# KiCad board m-blanc.kicad_pcb (continued)
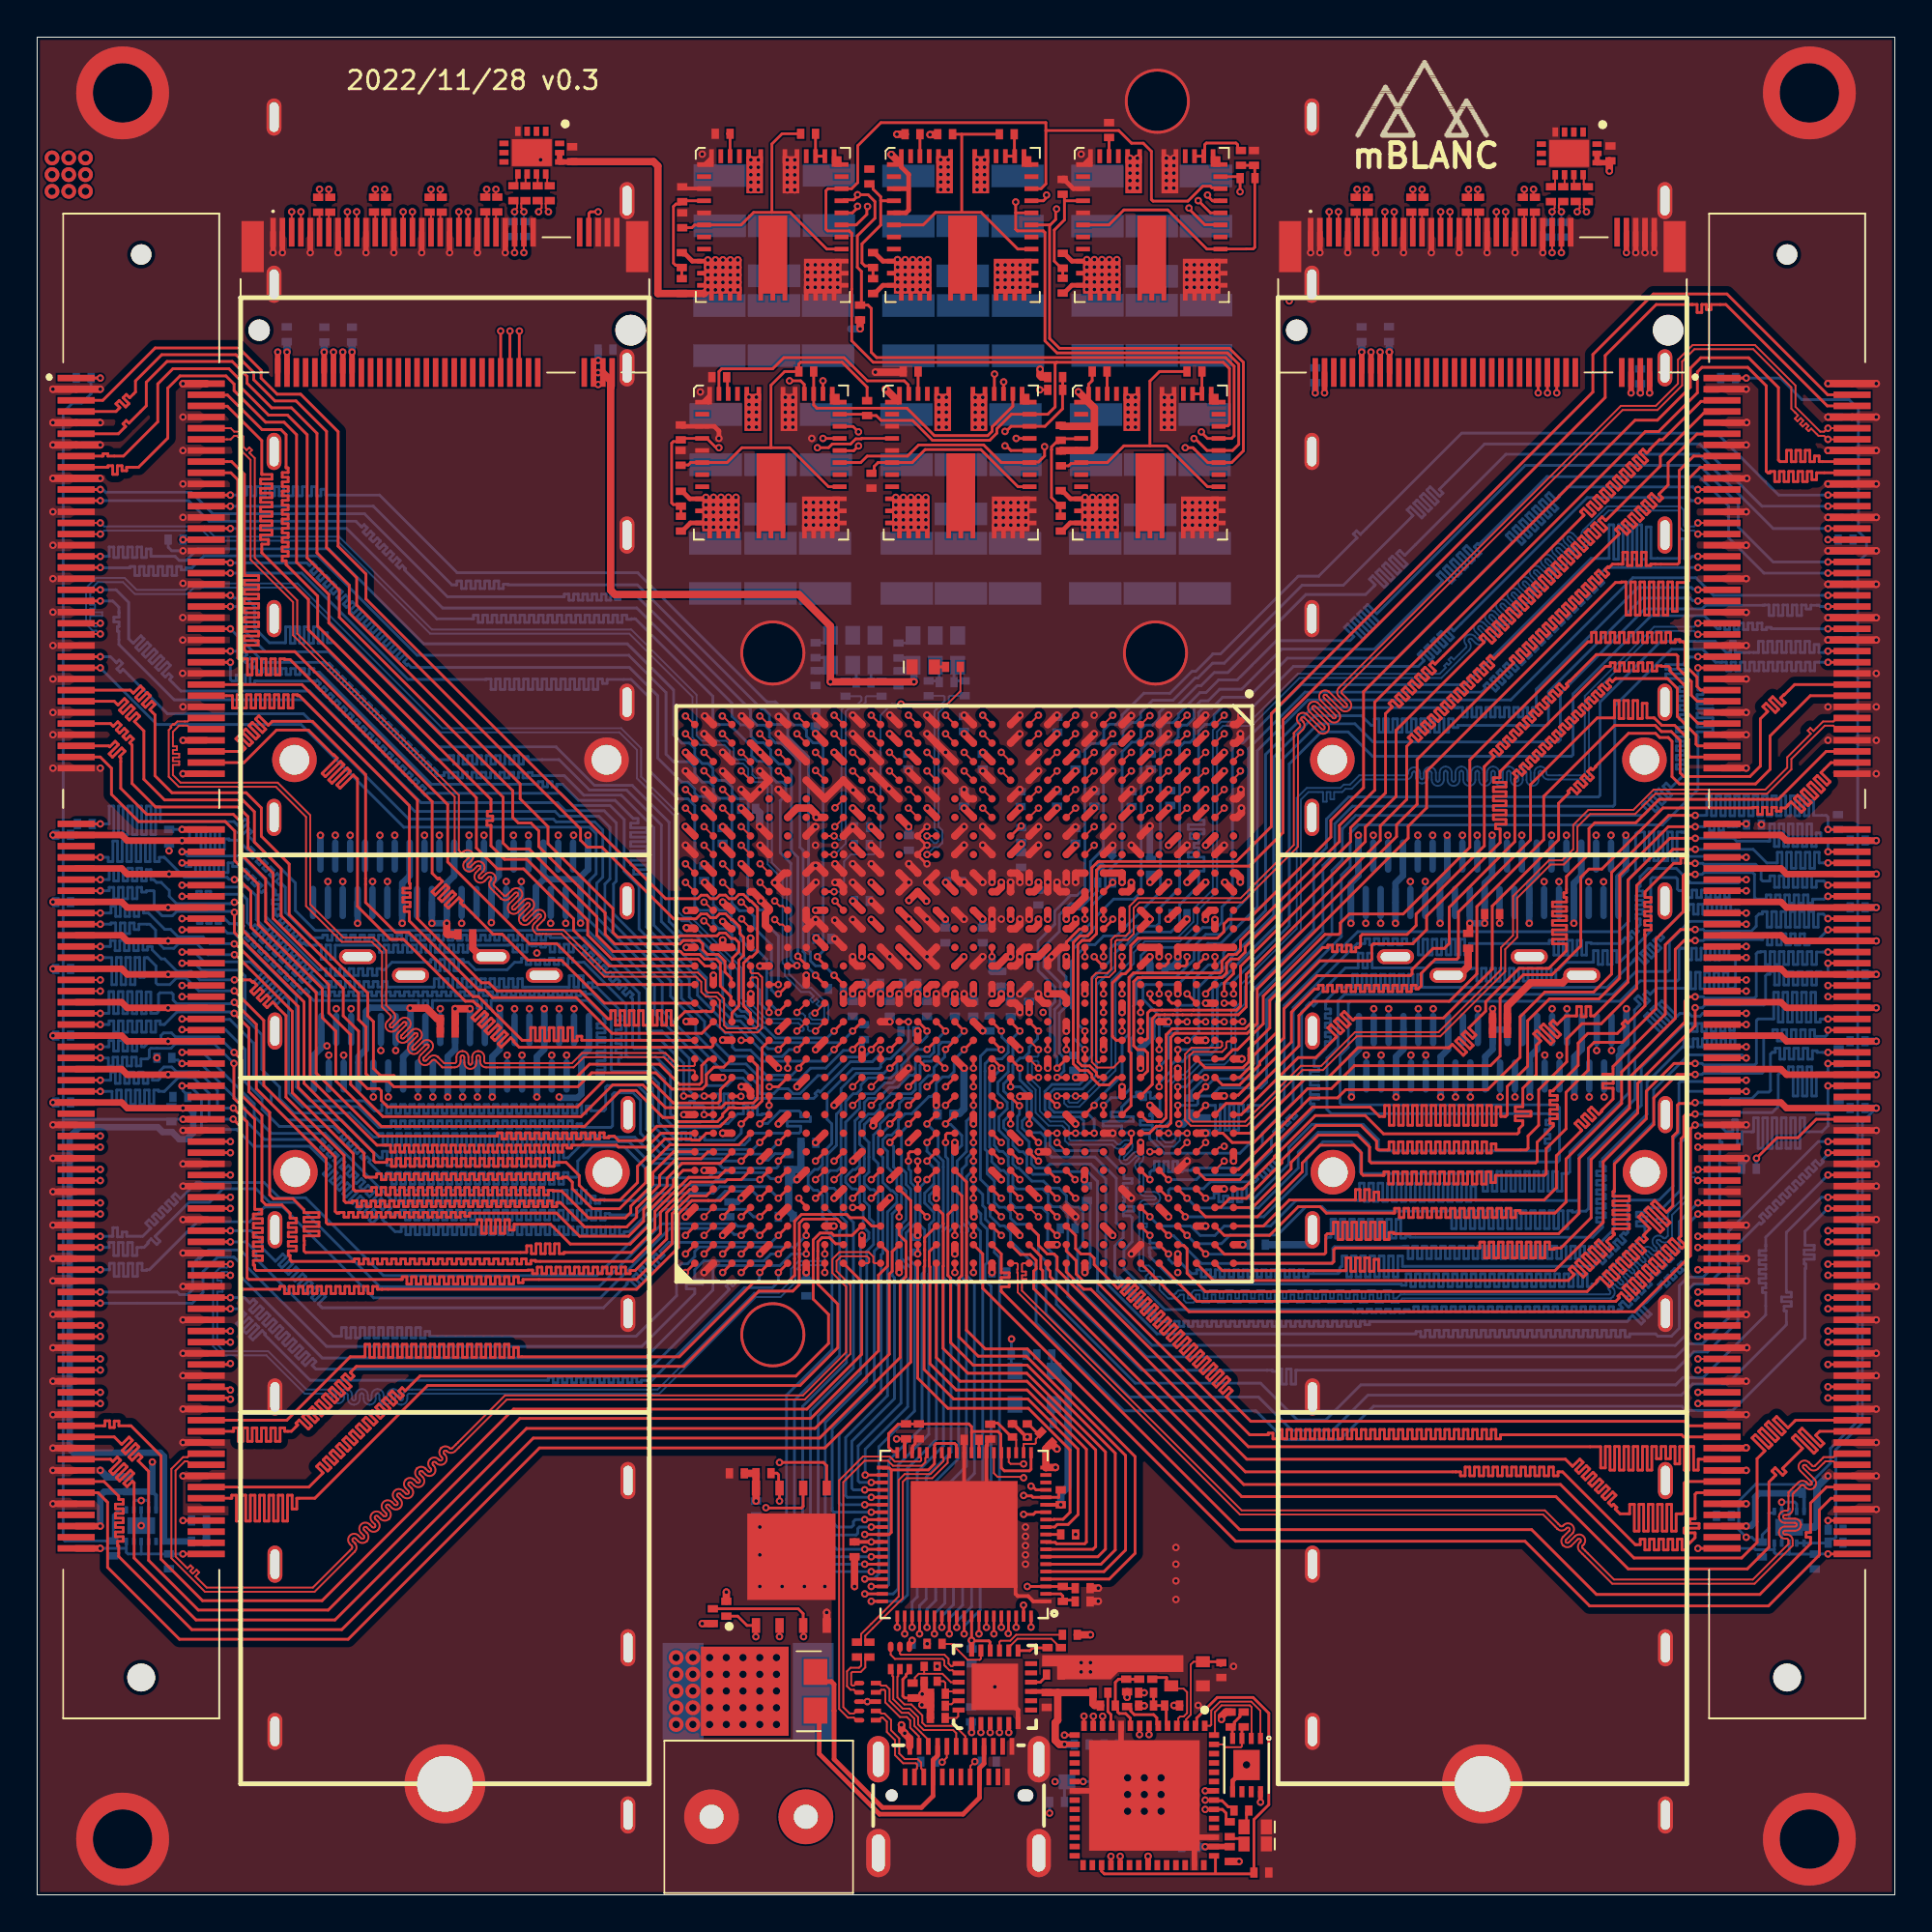
[diagram p0: board, top side]
## Routing (per net, layer and track width the routed paths; a pad name or vN(x,y) marks a point on that pad's centre or on a via; arc(x,y) is an arc through that point) (continued)
DRAM1_DQ34: length 45.3
  Top Layer w0.15: DIMM1.141 v1(3.4,37.25) ; v1(37.9,33.5) U1.AG30
  InLayer2 (Signal) w0.15: v1(3.4,37.25) 3.98,37.25 3.98,37.84 4.23,37.84 4.23,37.24 4.48,37.24 4.48,37.84 4.73,37.84 4.73,37.24 4.98,37.24 4.98,37.84 5.23,37.84 5.23,37.24 5.48,37.24 5.48,37.63 5.73,37.63 5.73,37.25 6.33,37.25 7.9,35.68 8.2,35.68 8.92,34.96 8.92,33.54 9.53,32.92 10.79,32.92 11.41,32.3 30.15,32.3 30.76,32.92 32.53,32.92 33.65,31.8 36.5,31.8 37.9,33.2 37.9,33.5 v1(37.9,33.5)
DRAM1_DQ35: length 48.2
  Top Layer w0.15: v1(37.9,34.5) U1.AG29 ; DIMM1.143 v1(3.4,36.65)
  InLayer2 (Signal) w0.15: v1(37.9,34.5) 38.41,33.99 38.41,33.15 36.66,31.39 33.51,31.39 32.35,32.55 31.09,32.55 30.36,31.83 11.37,31.83 10.59,32.6 9.11,32.6 8.49,33.22 8.49,34.74 7.98,35.24 7.69,35.24 6.29,36.65 5.76,36.65 5.76,36.31 5.51,36.31 5.51,36.66 5.26,36.66 5.26,35.9 5.01,35.9 5.01,36.66 4.76,36.66 4.76,35.9 4.51,35.9 4.51,36.66 4.26,36.66 4.26,35.9 4.01,35.9 4.01,36.65 v1(3.4,36.65)
DRAM1_DQ36: length 46.5
  Top Layer w0.15: DIMM1.130 v1(10.4,40.55) ; v1(37.9,36.5) U1.AG27
  InLayer2 (Signal) w0.15: v1(37.9,36.5) 37.17,37.23 25.74,37.23 25.74,37.64 25.49,37.64 25.49,37.2 25.24,37.2 25.24,37.74 24.99,37.74 24.99,37.2 24.74,37.2 24.74,37.74 24.49,37.74 24.49,37.2 24.24,37.2 24.24,37.74 23.99,37.74 23.99,37.2 23.74,37.2 23.74,37.74 23.49,37.74 23.49,37.2 23.24,37.2 23.24,37.74 22.99,37.74 22.99,37.2 22.74,37.2 22.74,37.74 22.49,37.74 22.49,37.2 22.24,37.2 22.24,37.74 21.99,37.74 21.99,37.2 21.74,37.2 21.74,37.74 21.49,37.74 21.49,37.2 21.24,37.2 21.24,37.74 20.99,37.74 20.99,37.2 20.74,37.2 20.74,37.74 20.49,37.74 20.49,37.2 20.24,37.2 20.24,37.74 19.99,37.74 19.99,37.2 19.74,37.2 19.74,37.74 19.49,37.74 19.49,37.2 19.24,37.2 19.24,37.74 18.99,37.74 18.99,37.23 18.62,37.23 14.85,41 12.2,41 11.75,40.55 v1(10.4,40.55)
DRAM1_DQ37: length 46.2
  Top Layer w0.15: DIMM1.132 v1(10.4,39.95) ; v1(35.9,34.5) U1.AJ29
  InLayer2 (Signal) w0.15: v1(10.4,39.95) 10.85,39.95 10.85,39.31 11.1,39.31 11.1,40.01 11.35,40.01 11.35,39.31 11.6,39.31 11.6,40.01 11.85,40.01 11.85,39.95 11.95,39.95 12.5,40.5 14.54,40.5 15.52,39.51 15.55,39.54 15.73,39.37 15.33,38.97 15.51,38.79 15.91,39.19 16.08,39.01 15.68,38.61 15.86,38.44 16.26,38.84 16.44,38.66 16.04,38.26 16.22,38.08 16.62,38.48 16.79,38.31 16.39,37.91 16.57,37.73 16.97,38.13 17.15,37.95 16.75,37.55 16.92,37.38 17.29,37.74 18.38,36.66 28.52,36.66 28.52,36.86 28.77,36.86 28.77,36.53 29.02,36.53 29.02,36.86 29.27,36.86 29.27,36.53 29.52,36.53 29.52,36.86 29.77,36.86 29.77,36.53 30.02,36.53 30.02,36.86 30.27,36.86 30.27,36.53 30.52,36.53 30.52,36.86 30.77,36.86 30.77,36.53 31.02,36.53 31.02,36.86 31.27,36.86 31.27,36.53 31.52,36.53 31.52,36.86 31.77,36.86 31.77,36.53 32.02,36.53 32.02,36.86 32.27,36.86 32.27,36.53 32.52,36.53 32.52,36.86 32.77,36.86 32.77,36.53 33.02,36.53 33.02,36.86 33.27,36.86 33.27,36.53 33.52,36.53 33.52,36.8 33.77,36.8 33.77,36.66 34.08,36.66 34.72,36.01 35.31,36.01 35.39,35.93 35.39,35 v1(35.9,34.5)
DRAM1_DQ38: length 45.9
  Top Layer w0.15: v1(34.9,34.5) U1.AK29 ; DIMM1.140 v1(10.4,37.55)
  InLayer2 (Signal) w0.15: v1(10.4,37.55) 11.55,37.55 11.99,37.11 13.2,37.11 13.74,36.57 13.78,36.61 13.96,36.43 13.56,36.04 13.74,35.86 14.13,36.25 14.31,36.08 13.92,35.68 14.09,35.51 14.49,35.9 14.66,35.72 14.63,35.69 14.75,35.57 23.35,35.57 23.35,35.79 23.6,35.79 23.6,35.4 23.85,35.4 23.85,35.79 24.1,35.79 24.1,35.4 24.35,35.4 24.35,35.79 24.6,35.79 24.6,35.4 24.85,35.4 24.85,35.79 25.1,35.79 25.1,35.4 25.35,35.4 25.35,35.79 25.6,35.79 25.6,35.4 25.85,35.4 25.85,35.79 26.1,35.79 26.1,35.4 26.35,35.4 26.35,35.79 26.6,35.79 26.6,35.4 26.85,35.4 26.85,35.79 27.1,35.79 27.1,35.4 27.35,35.4 27.35,35.79 27.6,35.79 27.6,35.4 27.85,35.4 27.85,35.79 28.1,35.79 28.1,35.4 28.35,35.4 28.35,35.79 28.6,35.79 28.6,35.4 28.85,35.4 28.85,35.79 29.1,35.79 29.1,35.4 29.35,35.4 29.35,35.79 29.6,35.79 29.6,35.4 29.85,35.4 29.85,35.79 30.1,35.79 30.1,35.4 30.35,35.4 30.35,35.79 30.6,35.79 30.6,35.4 30.85,35.4 30.85,35.79 31.1,35.79 31.1,35.4 31.35,35.4 31.35,35.79 31.6,35.79 31.6,35.4 31.85,35.4 31.85,35.79 32.1,35.79 32.1,35.4 32.35,35.4 32.35,35.79 32.6,35.79 32.6,35.4 32.85,35.4 32.85,35.79 33.1,35.79 33.1,35.4 33.35,35.4 33.35,35.76 33.6,35.76 33.6,35.57 33.83,35.57 33.88,35.52 v1(34.9,34.5)
DRAM1_DQ39: length 48.5
  Top Layer w0.15: v1(10.4,36.95) 10.22,36.95 DIMM1.142 ; v1(36.9,34.5) U1.AH29
  InLayer2 (Signal) w0.15: v1(10.4,36.95) 11.35,36.95 12.1,36.2 12.1,35 12.8,34.3 13.25,34.3 13.3,34.35 13.09,34.57 13.27,34.74 13.58,34.43 13.76,34.61 13.55,34.82 13.73,34.99 13.83,34.89 14,35.06 14.17,35.06 14.17,35.21 14.42,35.21 14.42,34.85 14.67,34.85 14.67,35.21 14.92,35.21 14.92,34.85 15.17,34.85 15.17,35.21 15.42,35.21 15.42,34.85 15.67,34.85 15.67,35.21 15.92,35.21 15.92,34.85 16.17,34.85 16.17,35.21 16.42,35.21 16.42,34.85 16.67,34.85 16.67,35.21 16.92,35.21 16.92,34.85 17.17,34.85 17.17,35.21 17.42,35.21 17.42,34.85 17.67,34.85 17.67,35.21 17.92,35.21 17.92,34.85 18.17,34.85 18.17,35.21 18.42,35.21 18.42,34.85 18.67,34.85 18.67,35.21 18.92,35.21 18.92,34.85 19.17,34.85 19.17,35.21 19.42,35.21 19.42,34.85 19.67,34.85 19.67,35.21 19.92,35.21 19.92,34.85 20.17,34.85 20.17,35.21 20.42,35.21 20.42,34.85 20.67,34.85 20.67,35.21 20.92,35.21 20.92,34.85 21.17,34.85 21.17,35.21 21.42,35.21 21.42,34.85 21.67,34.85 21.67,35.21 21.92,35.21 21.92,34.85 22.17,34.85 22.17,35.21 22.42,35.21 22.42,34.85 22.67,34.85 22.67,35.21 22.92,35.21 22.92,35.06 33.64,35.06 33.75,34.95 33.86,35.07 34.04,34.89 33.82,34.67 34,34.49 34.22,34.72 34.4,34.54 34.17,34.32 34.35,34.14 34.46,34.25 34.71,33.99 34.84,33.99 34.84,34.12 35.09,34.12 35.09,33.84 35.34,33.84 35.34,34.12 35.59,34.12 35.59,33.87 35.84,33.87 35.84,34.12 36.09,34.12 36.09,33.84 36.34,33.84 36.34,34.12 36.59,34.12 36.59,33.99 36.81,33.99 36.9,34.08 v1(36.9,34.5)
DRAM1_DQ40: length 47.9
  Top Layer w0.15: DIMM1.147 v1(3.4,35.45) ; v1(38.9,36.5) U1.AF27
  Bottom Layer w0.15: v1(3.4,35.45) 4.08,35.45 4.08,35.91 4.33,35.91 4.33,35.42 4.58,35.42 4.58,35.68 4.83,35.68 4.83,35.45 5.68,35.45 6.12,35.89 5.84,36.16 6.02,36.34 6.31,36.05 6.49,36.23 6.2,36.52 6.37,36.69 6.66,36.4 6.84,36.58 6.55,36.87 6.73,37.05 7.02,36.76 7.19,36.93 6.9,37.22 7.08,37.4 7.37,37.11 7.55,37.29 7.26,37.58 7.43,37.75 7.71,37.48 8.57,38.34 12.22,38.34 13.04,37.53 14.45,37.53 18.64,33.34 30.14,33.34 33.7,36.9 38.16,36.9 38.56,36.5 v1(38.9,36.5)
DRAM1_DQ41: length 47.8
  Top Layer w0.15: DIMM1.149 v1(3.4,34.85) ; v1(38.9,35.5) U1.AF28
  Bottom Layer w0.15: v1(3.4,34.85) 3.88,34.85 3.88,35.12 4.13,35.12 4.13,34.41 4.38,34.41 4.38,35.12 4.63,35.12 4.63,34.41 4.88,34.41 4.88,35.12 5.13,35.12 5.13,34.41 5.38,34.41 5.38,34.85 5.75,34.85 6,35.1 5.95,35.14 6.13,35.31 6.44,35 6.62,35.18 6.35,35.45 8.18,37.28 9.28,37.28 10.01,38.01 11.78,38.01 12.51,37.28 13.91,37.28 18.45,32.73 30.25,32.73 33.64,36.12 37.57,36.12 37.71,35.99 38.41,35.99 v1(38.9,35.5)
DRAM1_DQ42: length 47.5
  Top Layer w0.15: v1(39.9,34.5) U1.AE29 ; DIMM1.157 v1(3.4,32.45)
  Bottom Layer w0.15: v1(39.9,34.5) 39.5,34.5 39.12,34.12 35.88,34.12 35.4,33.64 35.4,33.12 35.83,33.12 35.83,32.87 34.95,32.87 34.95,32.62 35.4,32.62 35.4,32.37 32.55,29.52 15.58,29.52 11.31,33.79 11.31,34.34 10.93,34.71 9.23,34.71 8.76,34.24 8.7,34.29 8.53,34.12 8.58,34.07 8.38,33.86 8.38,32.59 8.1,32.31 7.67,32.31 7.54,32.45 v1(3.4,32.45)
DRAM1_DQ43: length 47.1
  Top Layer w0.15: v1(41.4,34.5) U1.AD29 ; DIMM1.159 v1(3.4,31.85)
  Bottom Layer w0.15: v1(3.4,31.85) 8.35,31.85 8.93,32.43 8.93,33.54 9.71,34.32 10.24,34.32 10.24,34.33 10.56,34.33 10.56,34.32 10.61,34.32 10.91,34.02 10.91,33.33 15.35,28.9 32.72,28.9 36.38,32.56 36.38,33.72 36.54,33.87 39.98,33.87 40.61,34.5 v1(41.4,34.5)
DRAM1_DQ44: length 48.2
  Top Layer w0.15: DIMM1.146 v1(10.4,35.75) ; v1(39.9,35.5) U1.AE28
  Bottom Layer w0.15: v1(39.9,35.5) 39.52,35.12 34.01,35.12 33.53,34.65 33.75,34.43 33.57,34.26 33.32,34.51 33.14,34.34 33.54,33.94 33.36,33.76 32.96,34.16 32.79,33.98 33.19,33.58 33.01,33.41 32.61,33.81 32.43,33.63 32.83,33.23 32.66,33.05 32.26,33.45 32.08,33.27 32.48,32.88 32.3,32.7 31.9,33.1 31.73,32.92 31.77,32.88 30.49,31.6 15.34,31.6 15.13,31.81 15.52,32.2 15.35,32.38 14.95,31.98 14.77,32.16 15.17,32.56 14.99,32.73 14.59,32.33 14.42,32.51 14.82,32.91 14.64,33.09 14.24,32.69 14.06,32.86 14.46,33.26 14.29,33.44 13.89,33.04 13.71,33.22 14.11,33.62 13.93,33.8 13.53,33.4 13.36,33.57 13.76,33.97 13.58,34.15 13.18,33.75 13,33.93 13.4,34.33 13.23,34.5 12.83,34.11 12.11,34.83 12.11,35.16 11.52,35.75 v1(10.4,35.75)
DRAM1_DQ45: length 48.9
  Top Layer w0.15: v1(10.4,35.15) 10.22,35.15 DIMM1.148 ; v1(41.4,35.5) U1.AD28
  Bottom Layer w0.15: v1(41.4,35.5) 40.77,34.87 35.64,34.87 35.4,34.63 35.4,34.36 35.01,33.97 34.68,33.97 34.42,33.71 34.42,32.25 32.24,30.07 21.13,30.07 21.13,30.33 20.88,30.33 20.88,29.98 20.63,29.98 20.63,30.53 20.38,30.53 20.38,29.98 20.13,29.98 20.13,30.53 19.88,30.53 19.88,29.98 19.63,29.98 19.63,30.53 19.38,30.53 19.38,29.98 19.13,29.98 19.13,30.53 18.88,30.53 18.88,29.98 18.63,29.98 18.63,30.53 18.38,30.53 18.38,29.98 18.13,29.98 18.13,30.53 17.88,30.53 17.88,29.98 17.63,29.98 17.63,30.53 17.38,30.53 17.38,29.98 17.13,29.98 17.13,30.53 16.88,30.53 16.88,29.98 16.63,29.98 16.63,30.53 16.38,30.53 16.38,30.07 15.95,30.07 11.78,34.25 11.78,34.62 11.25,35.15 v1(10.4,35.15)
DRAM1_DQ46: length 45.6
  Top Layer w0.15: DIMM1.158 v1(10.4,32.15) ; v1(38.9,33.5) U1.AF30
  Bottom Layer w0.15: v1(10.4,32.15) 11.16,32.15 11.45,31.86 11.65,32.06 11.83,31.89 11.43,31.49 11.61,31.32 12,31.71 12.18,31.53 11.78,31.14 11.96,30.96 12.36,31.36 12.53,31.18 12.14,30.79 12.31,30.61 12.71,31 12.89,30.83 12.49,30.43 12.67,30.26 13.06,30.65 13.24,30.47 12.85,30.08 13.02,29.9 13.42,30.3 13.59,30.12 13.2,29.72 13.38,29.55 13.77,29.94 13.95,29.77 13.55,29.37 13.73,29.19 14.12,29.59 14.3,29.41 13.91,29.02 14.08,28.84 14.48,29.24 14.65,29.06 14.26,28.66 14.44,28.49 14.83,28.88 15.01,28.71 14.8,28.5 15.01,28.3 32.97,28.3 37.26,32.6 37.09,32.77 37.26,32.95 37.44,32.77 37.67,33 38.79,33 38.87,33.09 38.87,33.47 v1(38.9,33.5)
DRAM1_DQ47: length 46
  Top Layer w0.15: DIMM1.160 v1(10.4,31.55) ; v1(39.9,33.5) U1.AE30
  Bottom Layer w0.15: v1(39.9,33.5) 39.9,33 39.58,32.68 38.08,32.68 33.12,27.73 33.09,27.7 32.53,27.7 32.53,27.59 32.28,27.59 32.28,27.86 32.03,27.86 32.03,27.56 31.78,27.56 31.78,27.86 31.53,27.86 31.53,27.56 31.28,27.56 31.28,27.86 31.03,27.86 31.03,27.56 30.78,27.56 30.78,27.86 30.53,27.86 30.53,27.56 30.28,27.56 30.28,27.86 30.03,27.86 30.03,27.56 29.78,27.56 29.78,27.86 29.53,27.86 29.53,27.56 29.28,27.56 29.28,27.86 29.03,27.86 29.03,27.56 28.78,27.56 28.78,27.86 28.53,27.86 28.53,27.56 28.28,27.56 28.28,27.86 28.03,27.86 28.03,27.56 27.78,27.56 27.78,27.86 27.53,27.86 27.53,27.7 14.7,27.7 12.25,30.15 12.29,30.2 12.11,30.38 11.61,29.87 11.43,30.05 11.94,30.55 11.76,30.73 11.26,30.23 11.08,30.4 11.58,30.91 11.41,31.08 10.9,30.58 10.73,30.76 11.23,31.26 11.05,31.44 11.01,31.39 10.85,31.55 v1(10.4,31.55)
DRAM1_DQ48: length 52.5
  Top Layer w0.15: DIMM1.163 v1(3.4,30.65) ; v1(41.9,39.5) U1.AC24
  InLayer2 (Signal) w0.15: v1(41.9,39.5) 41.83,39.5 41.74,39.41 41.49,39.41 41.09,39 40.73,39 40.27,38.55 40.27,32.93 40.02,32.68 38.46,32.68 36.69,30.91 36.69,30.39 36.3,30 17.3,30 15.95,31.35 10.85,31.35 10.65,31.15 9.45,31.15 8.87,30.57 5.84,30.57 5.84,30.76 5.59,30.76 5.59,30.5 5.34,30.5 5.34,31.02 5.09,31.02 5.09,30.5 4.84,30.5 4.84,31.02 4.59,31.02 4.59,30.5 4.34,30.5 4.34,31.02 4.09,31.02 4.09,30.57 3.61,30.57 3.58,30.6 3.45,30.6 v1(3.4,30.65)
DRAM1_DQ49: length 53.7
  Top Layer w0.15: v1(42.9,39.5) U1.AB24 ; DIMM1.165 v1(3.4,30.05)
  InLayer2 (Signal) w0.15: v1(3.4,30.05) 5.28,30.05 5.28,30.05 5.53,30.05 5.53,29.59 5.78,29.59 5.78,30.05 6.03,30.05 6.03,29.59 6.28,29.59 6.28,30.05 6.53,30.05 6.53,29.59 6.78,29.59 6.78,30.05 7.03,30.05 7.03,29.73 7.28,29.73 7.28,30.05 9.15,30.05 9.96,30.86 15.45,30.86 16.9,29.4 36.4,29.4 37.1,30.1 37.1,30.68 38.7,32.28 40.24,32.28 40.52,32.57 40.52,37.68 40.86,38.01 41.19,38.01 41.4,38.22 41.4,38.68 41.71,38.99 42.39,38.99 v1(42.9,39.5)
DRAM1_DQ50: length 56.9
  Top Layer w0.15: DIMM1.175 v1(3.4,27.05) ; v1(44.9,37.5) U1.Y26
  InLayer2 (Signal) w0.15: v1(44.9,37.5) 44.9,37.43 45.05,37.29 45.05,27.83 42.15,24.94 11.86,24.94 11.4,25.4 10.94,25.4 10.94,25.5 10.69,25.5 10.69,25.29 10.44,25.29 10.44,25.61 10.19,25.61 10.19,25.29 9.94,25.29 9.94,25.61 9.69,25.61 9.69,25.4 6.1,25.4 4.45,27.05 v1(3.4,27.05)
DRAM1_DQ51: length 57.5
  Top Layer w0.15: v1(44.9,38.5) U1.Y25 ; v1(3.4,26.45) 3.22,26.45 DIMM1.177
  InLayer2 (Signal) w0.15: v1(44.9,38.5) 45.5,37.9 45.5,27.47 42.44,24.41 9.19,24.41 8.7,24.9 5.8,24.9 4.25,26.45 v1(3.4,26.45)
DRAM1_DQ52: length 51.4
  Top Layer w0.15: U1.AD27 41.4,37.05 41,37.45 v1(41,37.5) ; DIMM1.164 v1(10.4,30.35)
  InLayer2 (Signal) w0.15: v1(41,37.5) 41.04,37.46 41.26,37.46 41.38,37.35 41.38,36.14 41.78,35.75 41.78,33.34 41.7,33.27 41.7,29.14 40.64,28.09 38.41,28.09 37.7,28.8 36.96,28.8 36.96,28.84 36.71,28.84 36.71,28.65 36.46,28.65 36.46,28.93 36.21,28.93 36.21,28.65 35.96,28.65 35.96,28.93 35.71,28.93 35.71,28.65 35.46,28.65 35.46,28.93 35.21,28.93 35.21,28.65 34.96,28.65 34.96,28.93 34.71,28.93 34.71,28.65 34.46,28.65 34.46,28.93 34.21,28.93 34.21,28.65 33.96,28.65 33.96,28.93 33.71,28.93 33.71,28.65 33.46,28.65 33.46,28.93 33.21,28.93 33.21,28.65 32.96,28.65 32.96,28.93 32.71,28.93 32.71,28.65 32.46,28.65 32.46,28.93 32.21,28.93 32.21,28.65 31.96,28.65 31.96,28.93 31.71,28.93 31.71,28.65 31.46,28.65 31.46,28.93 31.21,28.93 31.21,28.65 30.96,28.65 30.96,28.93 30.71,28.93 30.71,28.65 30.46,28.65 30.46,28.93 30.21,28.93 30.21,28.65 29.96,28.65 29.96,28.93 29.71,28.93 29.71,28.8 16.7,28.8 15.15,30.35 v1(10.4,30.35)
DRAM1_DQ53: length 51.6
  Top Layer w0.15: v1(10.4,29.75) DIMM1.166 ; v1(41.9,37.5) U1.AC26
  InLayer2 (Signal) w0.15: v1(41.9,37.5) 41.9,36.5 42.03,36.38 42.03,28.89 40.82,27.69 38.11,27.69 37.59,28.21 29.78,28.21 29.78,28.22 29.53,28.22 29.53,28.08 29.28,28.08 29.28,28.4 29.03,28.4 29.03,28.08 28.78,28.08 28.78,28.4 28.53,28.4 28.53,28.08 28.28,28.08 28.28,28.4 28.03,28.4 28.03,28.08 27.78,28.08 27.78,28.4 27.53,28.4 27.53,28.08 27.28,28.08 27.28,28.4 27.03,28.4 27.03,28.08 26.78,28.08 26.78,28.4 26.53,28.4 26.53,28.08 26.28,28.08 26.28,28.4 26.03,28.4 26.03,28.08 25.78,28.08 25.78,28.4 25.53,28.4 25.53,28.08 25.28,28.08 25.28,28.4 25.03,28.4 25.03,28.08 24.78,28.08 24.78,28.4 24.53,28.4 24.53,28.08 24.28,28.08 24.28,28.4 24.03,28.4 24.03,28.08 23.78,28.08 23.78,28.4 23.53,28.4 23.53,28.21 16.49,28.21 14.95,29.75 v1(10.4,29.75)
DRAM1_DQ54: length 57.3
  Top Layer w0.15: v1(43.9,37) U1.AA27 ; v1(10.4,27.18) 10.33,27.18 10.26,27.25 9.2,27.25 DIMM1.174
  InLayer2 (Signal) w0.15: v1(10.4,27.18) 11.19,27.18 12.16,28.14 13.36,28.14 13.8,27.7 13.85,27.75 14.03,27.57 13.68,27.22 13.86,27.05 14.2,27.39 14.38,27.21 14.11,26.95 14.29,26.77 14.51,26.99 15.42,26.08 41.86,26.08 43.98,28.2 43.98,28.39 43.81,28.39 43.81,28.64 44.16,28.64 44.16,28.89 43.81,28.89 43.81,29.14 44.16,29.14 44.16,29.39 43.81,29.39 43.81,29.64 44.16,29.64 44.16,29.89 43.81,29.89 43.81,30.14 44.16,30.14 44.16,30.39 43.81,30.39 43.81,30.64 44.16,30.64 44.16,30.89 43.81,30.89 43.81,31.14 44.16,31.14 44.16,31.39 43.81,31.39 43.81,31.64 44.16,31.64 44.16,31.89 43.81,31.89 43.81,32.14 44.16,32.14 44.16,32.39 43.81,32.39 43.81,32.64 44.16,32.64 44.16,32.89 43.81,32.89 43.81,33.14 44.16,33.14 44.16,33.39 43.81,33.39 43.81,33.64 44.16,33.64 44.16,33.89 43.81,33.89 43.81,34.14 44.16,34.14 44.16,34.39 43.81,34.39 43.81,34.64 44.16,34.64 44.16,34.89 43.93,34.89 43.93,35.14 43.95,35.14 43.95,35.23 43.9,35.28 v1(43.9,37)
DRAM1_DQ55: length 56.4
  Top Layer w0.15: v1(10.4,26.68) 10.33,26.68 10.26,26.75 10.22,26.75 DIMM1.176 ; v1(43.9,37.5) U1.AA26
  InLayer2 (Signal) w0.15: v1(10.4,26.68) 10.42,26.7 11.22,26.7 11.51,26.4 11.61,26.5 11.78,26.32 11.69,26.23 12.38,25.53 13.58,25.53 13.58,25.64 13.83,25.64 13.83,25.38 14.08,25.38 14.08,25.64 14.33,25.64 14.33,25.38 14.58,25.38 14.58,25.64 14.83,25.64 14.83,25.38 15.08,25.38 15.08,25.64 15.33,25.64 15.33,25.38 15.58,25.38 15.58,25.64 15.83,25.64 15.83,25.38 16.08,25.38 16.08,25.64 16.33,25.64 16.33,25.38 16.58,25.38 16.58,25.64 16.83,25.64 16.83,25.38 17.08,25.38 17.08,25.64 17.33,25.64 17.33,25.38 17.58,25.38 17.58,25.64 17.83,25.64 17.83,25.38 18.08,25.38 18.08,25.64 18.33,25.64 18.33,25.38 18.58,25.38 18.58,25.64 18.83,25.64 18.83,25.38 19.08,25.38 19.08,25.64 19.33,25.64 19.33,25.38 19.58,25.38 19.58,25.64 19.83,25.64 19.83,25.38 20.08,25.38 20.08,25.64 20.33,25.64 20.33,25.38 20.58,25.38 20.58,25.64 20.83,25.64 20.83,25.38 21.08,25.38 21.08,25.64 21.33,25.64 21.33,25.38 21.58,25.38 21.58,25.53 42.05,25.53 44.57,28.06 44.57,35.14 44.78,35.34 44.78,35.66 44.57,35.86 44.57,36.86 43.93,37.5 v1(43.9,37.5)
DRAM1_DQ56: length 61.5
  Top Layer w0.15: DIMM1.181 3.65,25.25 3.65,25.52 3.9,25.52 3.9,25.16 4.15,25.16 4.15,25.51 4.4,25.51 4.4,25.25 5.05,25.25 6.67,23.63 6.67,18.07 8.9,15.84 15.34,15.84 25.65,26.15 41.43,26.15 44.39,29.1 44.39,33.01 U1.AB30
DRAM1_DQ57: length 65.4
  Top Layer w0.15: DIMM1.183 4.15,24.65 4.55,24.25 4.95,24.64 5.12,24.46 4.58,23.92 4.76,23.74 5.3,24.29 5.48,24.11 4.93,23.57 5.11,23.39 5.46,23.74 5.64,23.57 5.44,23.36 6,22.8 6,18.01 8.68,15.33 15.67,15.33 25.98,25.65 41.65,25.65 45.29,29.28 45.29,33.36 45.78,33.84 45.78,34.62 U1.Y29
DRAM1_DQ58: length 66.9
  Top Layer w0.15: DIMM1.191 3.6,22.25 4.39,21.46 4.39,21.28 4.63,21.28 4.63,21.03 4.22,21.03 4.22,20.78 4.63,20.78 4.63,20.53 4.22,20.53 4.22,20.28 4.63,20.28 4.63,20.03 4.22,20.03 4.22,19.78 4.63,19.78 4.63,19.53 4.22,19.53 4.22,19.28 4.63,19.28 4.63,19.03 4.33,19.03 4.33,18.78 4.39,18.78 4.39,18.22 8.33,14.28 16.4,14.28 26.71,24.59 42.12,24.59 46.46,28.92 46.46,32.95 46.78,33.27 46.78,35.16 46.4,35.53 U1.W28
DRAM1_DQ59: length 66
  Top Layer w0.15: DIMM1.193 3.27,21.65 3.79,21.13 3.79,17.63 7.66,13.76 16.74,13.76 27.04,24.06 42.4,24.06 47.03,28.68 47.03,37.38 U1.W26
DRAM1_DQ60: length 66.3
  Top Layer w0.15: DIMM1.180 13.44,25.55 16.86,28.97 17.65,28.97 17.65,29.64 17.9,29.64 17.9,28.94 18.15,28.94 18.15,29.64 18.4,29.64 18.4,28.94 18.65,28.94 18.65,29.64 18.9,29.64 18.9,28.94 19.15,28.94 19.15,29.64 19.4,29.64 19.4,28.94 19.65,28.94 19.65,29.64 19.9,29.64 19.9,28.94 20.15,28.94 20.15,29.64 20.4,29.64 20.4,28.94 20.65,28.94 20.65,29.64 20.9,29.64 20.9,28.94 21.15,28.94 21.15,29.64 21.4,29.64 21.4,28.94 21.65,28.94 21.65,29.64 21.9,29.64 21.9,28.94 22.15,28.94 22.15,29.64 22.4,29.64 22.4,28.94 22.65,28.94 22.65,29.64 22.9,29.64 22.9,28.94 23.15,28.94 23.15,29.64 23.4,29.64 23.4,28.94 23.65,28.94 23.65,29.64 23.9,29.64 23.9,28.94 24.15,28.94 24.15,29.64 24.4,29.64 24.4,28.94 24.65,28.94 24.65,29.64 24.9,29.64 24.9,28.94 25.15,28.94 25.15,29.64 25.4,29.64 25.4,28.94 25.65,28.94 25.65,29.46 25.9,29.46 25.9,28.97 34.57,28.97 38.54,32.94 40.36,32.94 40.78,33.35 40.78,36.26 41.14,36.62 43.59,36.62 43.77,36.45 44.48,36.45 44.93,36 U1.Y28
DRAM1_DQ61: length 59.3
  Top Layer w0.15: U1.AB28 43.4,36.04 43.06,36.38 41.24,36.38 41.03,36.16 41.03,32.85 40.67,32.5 38.85,32.5 34.8,28.45 17.19,28.45 16.92,28.18 16.86,28.12 17.05,27.92 16.88,27.75 16.58,28.04 16.41,27.86 16.9,27.37 16.72,27.19 16.23,27.68 16.05,27.51 16.55,27.02 16.37,26.84 15.88,27.33 15.7,27.15 16.19,26.66 16.02,26.49 15.52,26.98 15.35,26.8 15.84,26.31 15.66,26.13 15.17,26.62 14.99,26.45 15.48,25.96 15.31,25.78 14.82,26.27 14.64,26.09 15.13,25.6 14.95,25.43 14.46,25.92 14.29,25.74 14.78,25.25 14.6,25.07 14.11,25.56 13.93,25.39 14.03,25.29 13.91,25.18 13.68,24.95 13.33,24.95 13.33,25.14 13.08,25.14 13.08,24.41 12.83,24.41 12.83,25.14 12.58,25.14 12.58,24.41 12.33,24.41 12.33,25.14 12.08,25.14 12.08,24.41 11.83,24.41 11.83,25.14 11.58,25.14 11.58,24.41 11.33,24.41 11.33,25.14 11.08,25.14 11.08,24.41 10.83,24.41 10.83,25.14 10.58,25.14 10.58,24.95 DIMM1.182
DRAM1_DQ62: length 60.4
  Top Layer w0.15: DIMM1.192 14.63,21.95 15.39,22.71 15.04,23.06 15.22,23.24 15.64,22.82 15.82,22.99 15.4,23.42 15.57,23.59 16,23.17 16.17,23.35 15.75,23.77 15.93,23.95 16.35,23.52 16.53,23.7 16.11,24.12 16.28,24.3 16.7,23.88 16.88,24.05 16.46,24.48 16.64,24.65 17.06,24.23 17.23,24.41 16.81,24.83 16.99,25.01 17.41,24.58 17.59,24.76 17.17,25.18 17.34,25.36 17.76,24.94 17.94,25.11 17.52,25.54 17.7,25.71 18.12,25.29 18.29,25.47 17.87,25.89 18.05,26.07 18.47,25.65 18.65,25.82 18.23,26.24 18.4,26.42 18.82,26 19,26.18 18.58,26.6 18.76,26.77 19.18,26.35 19.36,26.53 18.93,26.95 19.11,27.13 19.53,26.71 19.71,26.88 19.47,27.12 19.65,27.3 19.81,27.13 20.61,27.93 40.84,27.93 42.6,29.68 42.6,31.24 41.78,32.07 41.78,35.26 42.14,35.62 42.76,35.62 42.89,35.5 43.87,35.5 44.37,36 U1.AA28
DRAM1_DQ63: length 63.3
  Top Layer w0.15: U1.AB29 43.35,35.05 42.98,35.05 42.66,35.38 42.24,35.38 42.03,35.16 42.03,32.88 43.1,31.8 43.1,29.45 41.07,27.42 21.02,27.42 14.95,21.35 13.98,21.35 13.98,20.77 13.73,20.77 13.73,21.51 13.48,21.51 13.48,20.12 13.23,20.12 13.23,21.51 12.98,21.51 12.98,20.12 12.73,20.12 12.73,21.51 12.48,21.51 12.48,20.12 12.23,20.12 12.23,21.51 11.98,21.51 11.98,20.12 11.73,20.12 11.73,21.51 11.48,21.51 11.48,20.12 11.23,20.12 11.23,21.51 10.98,21.51 10.98,20.12 10.73,20.12 10.73,21.51 10.48,21.51 10.48,21.35 DIMM1.194
DRAM1_DQS0_N: length 61.8
  Top Layer w0.1: DIMM1.10 10.42,78.95 10.61,78.76 10.84,78.76 11.1,78.5 11.1,77.95 11.28,77.77 11.42,77.91 11.56,77.77 11.42,77.63 11.71,77.34 11.71,71.97 14,69.68 14,67.9 22.7,59.2 22.7,56.22 22.78,56.14 arc(22.78,56.14) 22.78,56.14 arc(22.86,56.11) 22.93,56.14 22.96,56.17 22.97,56.17 arc(23.41,56.12) 23.39,55.68 23.19,55.48 arc(23.19,55.48) 23.19,55.48 arc(23.16,55.41) 23.19,55.34 arc(23.26,55.31) 23.33,55.34 23.56,55.57 23.57,55.57 arc(23.79,55.63) 23.99,55.54 arc(24.09,55.31) 23.99,55.08 23.79,54.88 arc(23.79,54.88) 23.79,54.88 arc(23.76,54.81) 23.79,54.74 arc(23.86,54.71) 23.93,54.74 24.16,54.97 24.17,54.97 arc(24.61,54.92) 24.59,54.48 ; 24.59,54.48 24.59,54.47 arc(24.59,54.47) 24.59,54.47 arc(24.56,54.4) 24.59,54.33 arc(24.59,54.33) 24.59,54.33 24.77,54.15 arc(24.77,54.15) 24.77,54.15 25.12,53.8 arc(25.19,53.77) 25.26,53.8 arc(25.26,53.8) 25.26,53.8 25.59,54.13 25.6,54.13 arc(26.04,54.08) 26.02,53.64 25.59,53.2 arc(25.56,53.13) 25.59,53.06 arc(25.66,53.03) 25.73,53.06 arc(25.73,53.06) 25.73,53.06 26.23,53.56 26.24,53.56 arc(26.68,53.51) 26.66,53.07 26.19,52.6 arc(26.16,52.53) 26.19,52.46 arc(26.26,52.43) 26.33,52.46 26.83,52.96 26.84,52.96 arc(27.28,52.91) 27.26,52.47 26.93,52.14 arc(26.9,52.06) 26.93,51.99 26.97,51.95 27.06,51.95 27.49,51.95 27.5,51.95 28.32,51.95 30.62,49.65 35.56,49.65 35.98,49.24 35.98,48.7 36.1,48.58 36.64,48.58 36.98,48.24 36.98,46.81 37.14,46.65 38.69,46.65 38.8,46.76 38.8,49.3 38.71,49.39 38.46,49.39 38.4,49.33 U1.AG15
DRAM1_DQS0_P: length 62.2
  Top Layer w0.1: U1.AG14 38.4,49.67 38.46,49.61 38.81,49.61 39.03,49.39 39.03,46.67 38.78,46.43 37.05,46.43 36.75,46.72 36.75,48.14 36.54,48.35 36.01,48.35 35.75,48.61 35.75,49.14 35.47,49.43 30.53,49.43 29.33,50.63 28.23,51.73 27.4,51.73 27.22,51.73 26.87,51.73 26.77,51.83 arc(26.67,52.06) 26.77,52.3 27.1,52.63 arc(27.1,52.77) 26.96,52.77 26.49,52.3 arc(26.26,52.2) 26.03,52.3 arc(26.03,52.3) 26.03,52.3 arc(25.93,52.5) 25.99,52.72 25.99,52.73 26.5,53.23 arc(26.5,53.23) 26.5,53.23 arc(26.5,53.37) 26.36,53.37 25.89,52.9 arc(25.66,52.81) 25.43,52.9 arc(25.43,52.9) 25.43,52.9 arc(25.43,52.9) 25.43,52.9 arc(25.33,53.11) 25.39,53.32 25.39,53.33 25.86,53.79 arc(25.86,53.79) 25.86,53.79 arc(25.86,53.94) 25.72,53.94 25.42,53.64 arc(25.19,53.54) 24.96,53.64 arc(24.96,53.64) 24.96,53.64 24.61,53.99 arc(24.61,53.99) 24.61,54 24.43,54.17 arc(24.33,54.4) 24.43,54.63 24.43,54.64 arc(24.43,54.64) 24.43,54.64 arc(24.46,54.71) 24.43,54.78 arc(24.36,54.81) 24.29,54.78 24.09,54.58 arc(23.65,54.56) 23.6,55 23.6,55.01 23.83,55.24 arc(23.86,55.31) 23.83,55.38 arc(23.83,55.38) 23.83,55.38 arc(23.76,55.41) 23.69,55.38 23.49,55.18 arc(23.05,55.16) 23,55.6 23,55.61 23.23,55.84 arc(23.23,55.84) 23.23,55.84 arc(23.26,55.91) 23.23,55.98 arc(23.16,56.01) 23.09,55.98 23.09,55.98 arc(22.86,55.88) 22.63,55.98 22.48,56.13 22.48,59.1 13.78,67.8 13.78,69.59 11.49,71.88 11.49,77.24 10.88,77.85 10.88,78.41 10.75,78.54 10.61,78.54 10.42,78.35 10.22,78.35 DIMM1.12
DRAM1_DQS1_N: length 62
  Top Layer w0.1: v1(40.9,47.5) U1.AD16 ; DIMM1.27 v1(3.4,73.85)
  Bottom Layer w0.1: v1(40.9,47.5) 40.96,47.44 41.21,47.44 41.35,47.31 41.35,47.17 41.63,46.89 42.38,46.89 42.59,47.11 42.59,47.9 41.67,48.83 41.22,48.83 40.48,49.57 40.48,50.13 40.35,50.26 40.35,54.77 39.55,55.57 39.55,59.71 39.13,60.12 38.67,60.12 38.5,60.3 38.5,60.71 38.09,61.12 37.63,61.12 37.5,61.25 37.5,61.71 37.09,62.12 35.78,62.12 35.5,62.4 35.5,64.59 31.97,68.12 21.25,68.12 16.25,73.11 9.55,73.11 9,73.66 3.61,73.66 3.42,73.85 v1(3.4,73.85)
DRAM1_DQS1_P: length 61.9
  Top Layer w0.1: v1(41.87,47.47) U1.AC16 ; DIMM1.29 v1(3.4,73.25)
  Bottom Layer w0.1: v1(3.4,73.25) 3.42,73.25 3.61,73.44 8.91,73.44 9.45,72.89 16.16,72.89 21.15,67.89 31.88,67.89 35.28,64.5 35.28,62.31 35.68,61.9 36.99,61.9 37.28,61.62 37.28,61.16 37.53,60.9 38,60.9 38.28,60.62 38.28,60.21 38.58,59.9 39.04,59.9 39.32,59.61 39.32,55.48 40.13,54.68 40.13,50.16 40.25,50.04 40.25,49.48 41.13,48.6 41.58,48.6 41.8,48.37 41.6,48.17 41.75,48.03 41.95,48.23 42.09,48.09 41.95,47.95 42.09,47.81 42.23,47.95 42.37,47.81 42.37,47.2 42.28,47.12 41.72,47.12 41.57,47.27 41.57,47.41 41.63,47.47 v1(41.87,47.47) 41.81,47.53
